# KiCad board element_foxtrot.kicad_pcb (continued)
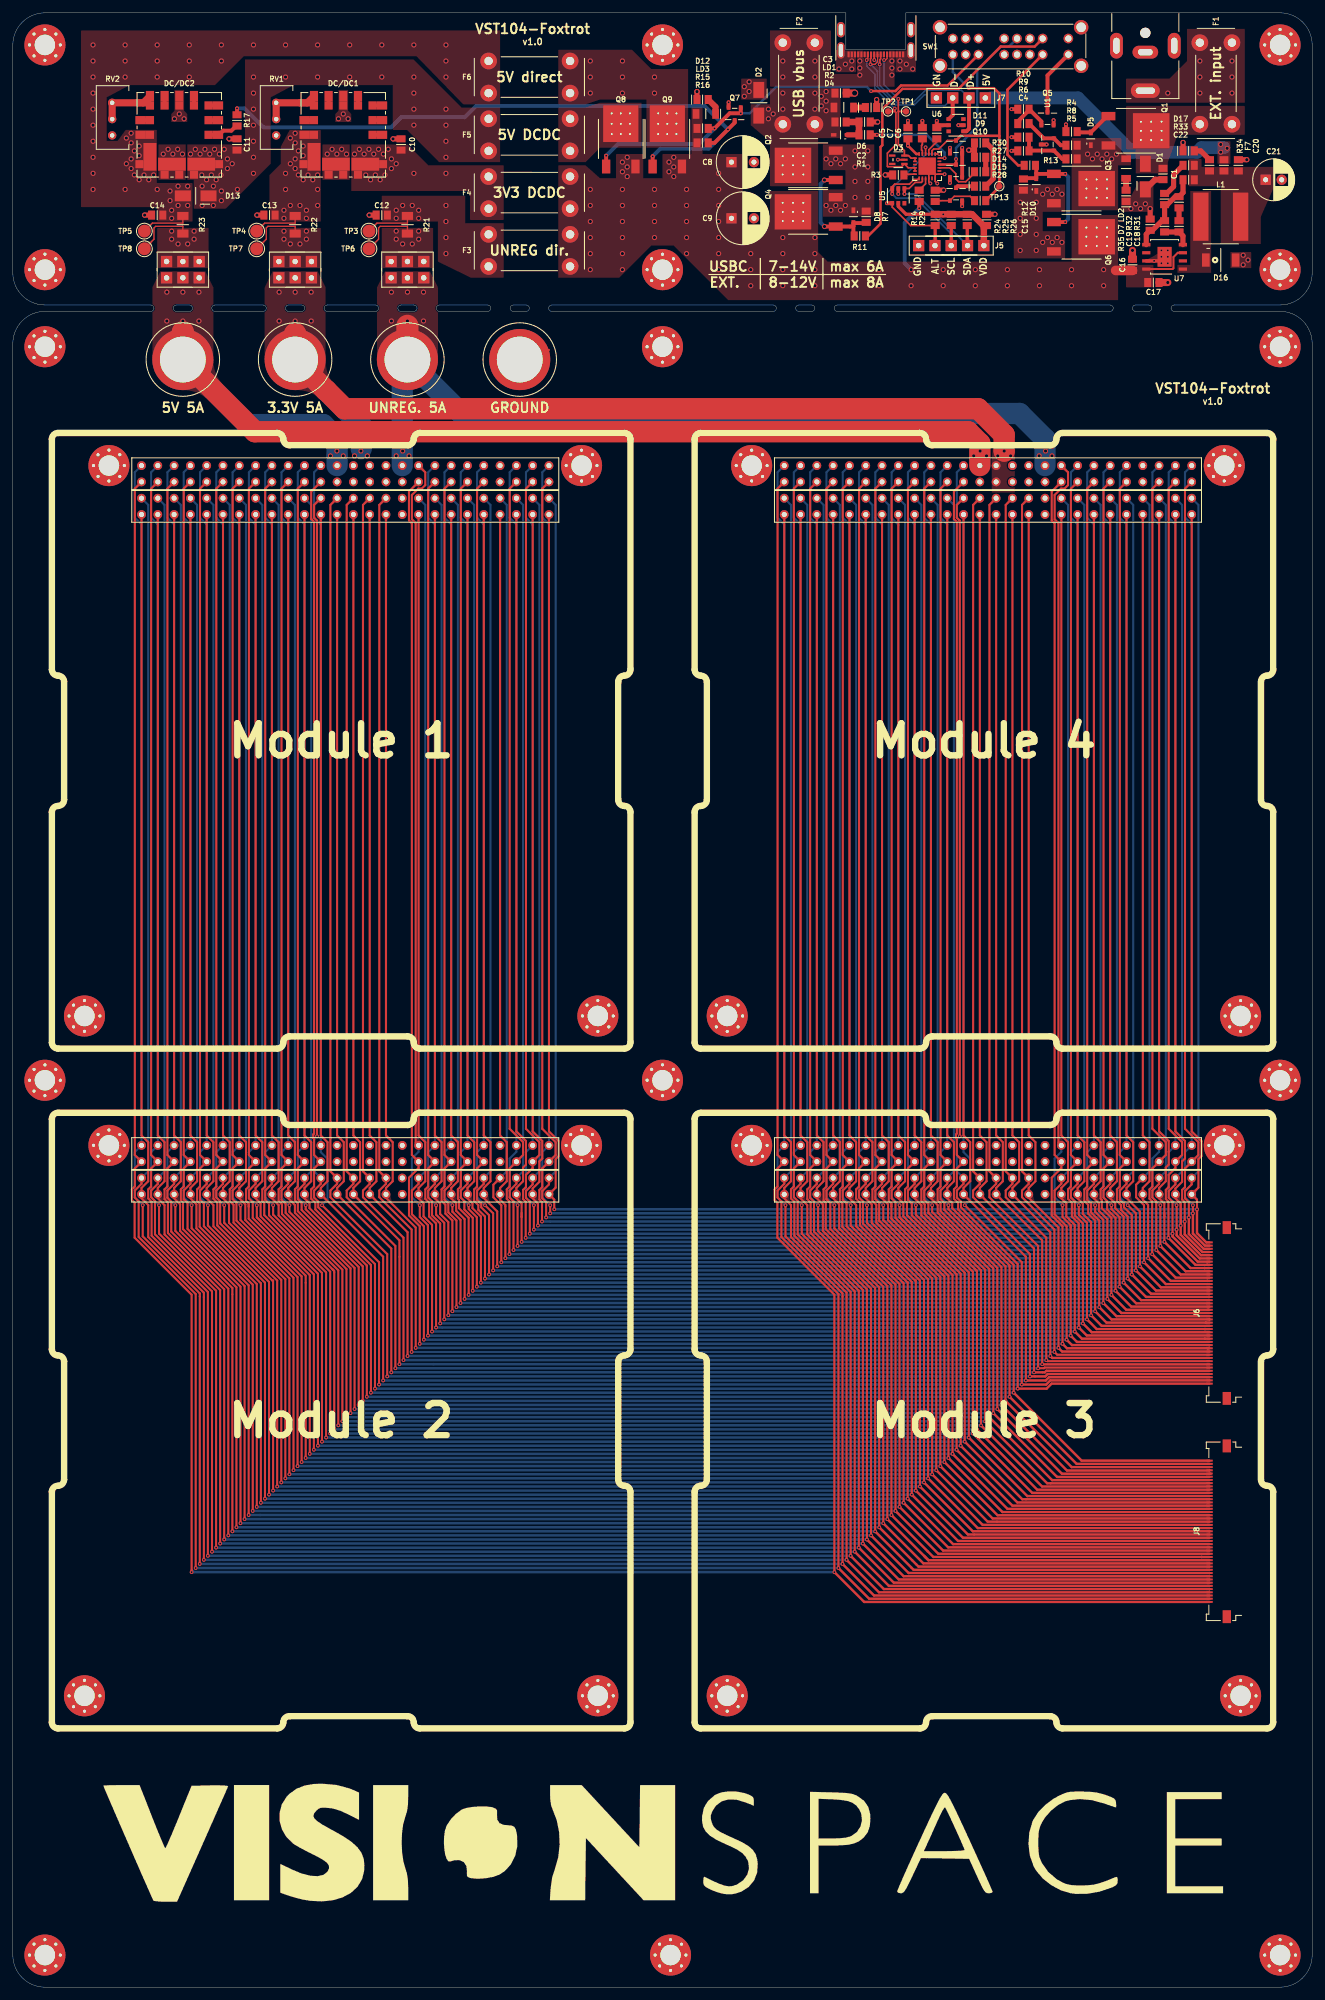
[diagram p0: board, top side]
## Routing (per net, layer and track width the routed paths; a pad name or vN(x,y) marks a point on that pad's centre or on a via; arc(x,y) is an arc through that point) (continued)
/H1-41: length 357.4
  Top w0.323: 171.03,229.37 171.03,132.65 172.07,131.61 172.07,125.52 171.03,124.48 Module 3.H1_41 171.03,122.86 171.8,122.08 171.8,121.34 173.12,120.03 v1(173.12,109.73) ; v1(72.95,109.73) 72.95,120.03 71.63,121.34 71.63,122.08 70.86,122.86 70.86,124.48 71.9,125.52 71.9,131.61 70.86,132.65 70.86,229.37
  Top w0.37: J6.27 175.85,107 v1(173.12,109.73)
  Bottom w0.396: v1(72.95,109.73) v1(173.12,109.73)
/H1-42: length 366.9
  Top w0.323: v1(171.85,108.46) 171.85,119.82 170.54,121.13 170.54,122.42 169.98,122.98 169.98,124.07 171.03,125.12 Module 3.H1_42 ; v1(71.68,108.46) 71.68,119.82 70.37,121.13 70.37,122.42 69.81,122.98 69.81,124.07 70.86,125.12 70.86,126.03
  Top w0.37: J6.25 174.31,106 v1(171.85,108.46)
  Bottom w0.323: 70.86,126.03 71.9,127.07 71.9,230.86 70.86,231.91 ; Module 4.H1_42 172.07,230.86 172.07,127.07 Module 3.H1_42
  Bottom w0.396: v1(71.68,108.46) v1(171.85,108.46)
/H1-43: length 350
  Top w0.323: v1(75.49,112.27) 75.49,120.82 73.39,122.91 Module 2.H1_43 73.39,124.48 74.44,125.52 74.44,131.61 73.39,132.65 73.39,229.37 ; v1(175.66,112.27) 175.66,120.82 173.56,122.91 Module 3.H1_43 173.56,124.48 174.61,125.52 174.61,131.61 173.56,132.65 173.56,229.37
  Top w0.37: v1(175.66,112.27) 178.93,109 J6.31
  Bottom w0.396: v1(75.49,112.27) v1(175.66,112.27)
/H1-44: length 359.5
  Top w0.323: Module 3.H1_44 173.56,125.12 172.52,124.07 172.52,122.63 173.17,121.99 173.17,121.46 174.39,120.23 v1(174.39,111) ; v1(74.22,111) 74.22,120.23 73,121.46 73,121.99 72.35,122.63 72.35,124.07 73.39,125.12 Module 2.H1_44
  Top w0.37: J6.29 177.39,108 v1(174.39,111)
  Bottom w0.323: Module 2.H1_44 74.44,127.07 74.44,230.86 Module 1.H1_44 ; Module 4.H1_44 174.61,230.86 174.61,127.07 Module 3.H1_44
  Bottom w0.396: v1(74.22,111) v1(174.39,111)
/H1-45: length 345.3
  Top w0.323: v1(176.93,113.54) 176.93,121.83 176.1,122.66 Module 3.H1_45 176.1,124.48 177.15,125.52 177.15,131.61 176.1,132.65 176.1,229.37 ; v1(76.76,113.54) 76.76,121.83 75.94,122.66 Module 2.H1_45 75.94,124.48 76.98,125.52 76.98,131.61 75.94,132.65 75.94,229.37
  Top w0.37: v1(176.93,113.54) 180.47,110 186.19,110 186.19,110 J6.33
  Bottom w0.396: v1(76.76,113.54) v1(176.93,113.54)
/H1-46: length 353.4
  Top w0.323: Module 2.H1_46 74.89,124.98 74.89,123.03 76.12,121.79 v1(76.12,112.91) ; v1(176.29,112.91) 176.29,121.79 175.06,123.03 175.06,124.98 Module 3.H1_46
  Top w0.37: v1(176.29,112.91) 179.7,109.5 J6.32
  Bottom w0.323: Module 2.H1_46 76.98,127.07 76.98,230.86 Module 1.H1_46 ; Module 4.H1_46 177.15,230.86 177.15,127.07 Module 3.H1_46
  Bottom w0.396: v1(176.29,112.91) v1(76.12,112.91)
/H1-47: length 339.8
  Top w0.323: 79.29,119.97 79.29,122.04 78.47,122.86 Module 2.H1_47 78.47,124.48 79.52,125.52 79.52,127.66 79.97,128.11 79.97,130.12 79.97,130.12 79.97,131.79 78.47,133.29 78.47,229.37 ; 79.29,119.97 79.29,116.09 v1(79.3,116.08) ; 79.29,119.97 79.29,120.58 ; v1(179.47,116.08) 179.46,116.09 179.46,119.97 ; 179.46,120.58 179.46,119.97 ; 179.46,119.97 179.46,122.04 178.65,122.86 Module 3.H1_47 178.65,124.48 179.69,125.52 179.69,127.66 180.14,128.11 180.14,130.12 180.14,130.12 180.14,131.79 178.65,133.29 178.65,229.37
  Top w0.37: v1(179.47,116.08) 183.55,112 185.75,112 185.75,112 J6.37
  Bottom w0.396: v1(79.3,116.08) v1(179.47,116.08)
/H1-48: length 347.3
  Top w0.323: v1(178.2,114.81) 178.2,122.38 177.6,122.98 177.6,124.07 178.65,125.12 Module 3.H1_48 ; v1(78.03,114.81) 78.03,122.38 77.43,122.98 77.43,124.07 78.47,125.12 Module 2.H1_48
  Top w0.37: v1(178.2,114.81) 182.01,111 J6.35
  Bottom w0.323: Module 1.H1_48 79.52,230.86 79.52,127.07 Module 2.H1_48 ; Module 3.H1_48 179.69,127.07 179.69,230.86 Module 4.H1_48
  Bottom w0.396: v1(78.03,114.81) v1(178.2,114.81)
/H1-49: length 337.4
  Top w0.323: 81.02,122.86 81.84,122.03 v1(81.84,118.62) 81.84,121.91 ; 182.01,121.91 v1(182.01,118.62) 182.01,122.03 181.19,122.86 ; 181.19,229.37 181.19,133.29 182.68,131.79 182.68,129.06 182.23,128.61 182.23,125.44 181.19,124.39 Module 3.H1_49 ; 81.02,229.37 81.02,133.29 82.51,131.79 82.51,129.06 82.06,128.61 82.06,125.44 81.02,124.39 Module 2.H1_49
  Top w0.37: J6.41 185.18,114 182.01,117.17 v1(182.01,118.62)
  Bottom w0.396: v1(81.84,118.62) v1(182.01,118.62)
/H1-50: length 340.2
  Top w0.323: v1(180.74,117.35) 180.74,122.34 180.14,122.93 180.14,123.99 181.19,125.03 Module 3.H1_50 ; v1(80.57,117.35) 80.57,122.34 79.97,122.93 79.97,123.99 81.02,125.03 Module 2.H1_50
  Top w0.37: v1(180.74,117.35) 180.74,116.93 184.67,113 J6.39
  Bottom w0.323: Module 1.H1_50 82.06,230.86 82.06,127.07 Module 2.H1_50 ; Module 3.H1_50 182.23,127.07 182.23,230.86 Module 4.H1_50
  Bottom w0.396: v1(80.57,117.35) v1(180.74,117.35)
/H1-51: length 326
  Top w0.323: v1(84.38,121.16) 84.38,122.66 Module 2.H1_51 84.6,124.53 84.6,128.97 85.07,129.45 85.07,131.77 83.56,133.29 83.56,229.37 ; v1(184.55,121.16) 184.55,122.66 Module 3.H1_51 184.77,124.53 184.77,128.97 185.24,129.45 185.24,131.77 183.72,133.29 183.72,229.37
  Top w0.37: J6.45 185.99,116 184.55,117.44 v1(184.55,121.16)
  Bottom w0.396: v1(84.38,121.16) v1(184.55,121.16)
/H1-52: length 334
  Top w0.323: Module 3.H1_52 183.72,125.03 182.68,123.99 182.68,122.86 183.28,122.26 v1(183.28,119.89) ; Module 2.H1_52 83.56,125.03 82.51,123.99 82.51,122.86 83.11,122.26 v1(83.11,119.89)
  Top w0.37: v1(183.28,119.89) 183.28,117.31 185.59,115 J6.43
  Bottom w0.323: Module 1.H1_52 84.6,230.86 84.6,127.07 Module 2.H1_52 ; Module 3.H1_52 184.77,127.07 184.77,230.86 Module 4.H1_52
  Bottom w0.396: v1(83.11,119.89) v1(183.28,119.89)
/H2-1: length 511.3
  Top w0.323: 20.05,234.44 19.01,233.4 19.01,129.61 Module 2.H2_1 19.01,127.52 19.01,124.71 18.56,124.26 18.56,122.59 18.98,122.16 18.98,116.73 27.87,107.85 v1(27.87,64.64) ; 120.22,234.44 119.18,233.4 119.18,129.61 Module 3.H2_1 119.18,127.52 119.18,124.71 118.73,124.26 118.73,122.59 119.16,122.16 119.16,116.73 128.03,107.85 v1(128.03,64.64)
  Top w0.37: v1(128.03,64.64) 132.68,60 J8.1
  Bottom w0.396: v1(27.87,64.64) 27.87,64.99 28.21,64.64 v1(128.03,64.64)
/H2-2: length 512.5
  Top w0.323: v1(129.31,65.92) 129.31,108.06 120.41,116.95 v1(120.41,121.79) ; v1(29.13,65.92) 29.13,108.06 20.24,116.95 v1(20.24,121.79)
  Top w0.37: J8.3 134.22,61 v1(129.31,65.92)
  Bottom w0.323: 20.05,236.99 19.01,235.94 19.01,228.86 20.05,227.82 20.05,131.1 19.01,130.06 19.01,123.03 v1(20.24,121.79) ; v1(120.41,121.79) 119.18,123.03 119.18,130.06 120.22,131.1 120.22,227.82 119.18,228.86 119.18,235.94 120.22,236.99
  Bottom w0.396: v1(29.13,65.92) v1(129.31,65.92)
/H2-3: length 503.4
  Top w0.323: 22.59,234.44 21.55,233.4 21.55,129.61 Module 2.H2_3 21.55,127.52 21.55,124.71 21.1,124.26 21.1,122.84 21.63,122.32 21.63,117.04 30.4,108.27 v1(30.4,67.18) ; v1(130.57,67.18) 130.57,108.27 121.8,117.04 121.8,122.32 121.27,122.84 121.27,124.26 121.72,124.71 121.72,127.52 Module 3.H2_3 121.72,129.61 121.72,233.4 122.76,234.44
  Top w0.37: v1(130.57,67.18) 135.75,62 186.49,62 186.49,62 J8.5
  Bottom w0.396: v1(130.57,67.18) v1(30.4,67.18)
/H2-4: length 505.1
  Top w0.323: v1(31.67,68.45) 31.67,108.47 22.78,117.36 v1(22.78,121.79) ; v1(122.96,121.79) 122.96,117.36 131.84,108.47 v1(131.84,68.45)
  Top w0.37: v1(131.84,68.45) 137.3,63 J8.7
  Bottom w0.323: 22.59,236.99 21.55,235.94 21.55,228.86 22.59,227.82 22.59,131.1 21.55,130.06 21.55,123.03 v1(22.78,121.79) ; v1(122.96,121.79) 121.72,123.03 121.72,130.06 122.76,131.1 122.76,227.82 121.72,228.86 121.72,235.94 122.76,236.99
  Bottom w0.396: v1(31.67,68.45) v1(131.84,68.45)
/H2-5: length 496.6
  Top w0.323: 25.13,234.44 24.09,233.4 24.09,129.61 Module 2.H2_5 24.09,127.52 24.09,124.71 23.64,124.26 23.64,122.74 24.17,122.21 24.17,117.46 32.94,108.69 v1(32.94,69.72) ; 125.31,234.44 124.26,233.4 124.26,129.61 Module 3.H2_5 124.26,127.52 124.26,124.71 123.81,124.26 123.81,122.74 124.34,122.21 124.34,117.46 133.11,108.69 v1(133.11,69.72)
  Top w0.37: v1(133.11,69.72) 138.83,64 J8.9
  Bottom w0.396: v1(32.94,69.72) 32.94,70.07 33.29,69.72 v1(133.11,69.72)
/H2-6: length 497.7
  Top w0.323: v1(125.5,121.79) 125.5,117.78 134.38,108.89 v1(134.38,71) ; v1(34.22,71) 34.22,108.89 25.33,117.78 v1(25.33,121.79)
  Top w0.37: J8.11 140.38,65 v1(134.38,71)
  Bottom w0.323: 25.13,236.99 24.09,235.94 24.09,228.86 25.13,227.82 25.13,131.1 24.09,130.06 24.09,123.03 v1(25.33,121.79) ; v1(125.5,121.79) 124.26,123.03 124.26,130.06 125.31,131.1 125.31,227.82 124.26,228.86 124.26,235.94 125.31,236.99
  Bottom w0.396: v1(34.22,71) v1(134.38,71)
/H2-7: length 488.7
  Top w0.323: 27.67,234.44 26.63,233.4 26.63,129.61 Module 2.H2_7 26.63,127.52 26.63,124.71 26.18,124.26 26.18,122.55 26.52,122.21 26.52,118.06 35.48,109.1 v1(35.48,72.26) ; 127.84,234.44 126.8,233.4 126.8,129.61 Module 3.H2_7 126.8,127.52 126.8,124.71 126.35,124.26 126.35,122.55 126.69,122.21 126.69,118.06 135.65,109.1 v1(135.65,72.26)
  Top w0.37: J8.13 141.91,66 v1(135.65,72.26)
  Bottom w0.396: v1(135.65,72.26) v1(35.48,72.26)
/H2-8: length 490.3
  Top w0.323: v1(36.76,73.54) 36.76,109.31 27.87,118.2 v1(27.87,121.79) ; v1(128.03,121.79) 128.03,118.2 136.93,109.31 v1(136.93,73.54)
  Top w0.37: v1(136.93,73.54) 143.46,67 185.28,67 185.28,67 J8.15
  Bottom w0.323: 27.67,236.99 26.63,235.94 26.63,228.86 27.67,227.82 27.67,131.1 26.63,130.06 26.63,123.03 v1(27.87,121.79) ; v1(128.03,121.79) 126.8,123.03 126.8,130.06 127.84,131.1 127.84,227.82 126.8,228.86 126.8,235.94 127.84,236.99
  Bottom w0.396: v1(136.93,73.54) v1(36.76,73.54)
/H2-9: length 481.3
  Top w0.323: 30.22,234.44 29.17,233.4 29.17,129.61 Module 2.H2_9 29.17,127.52 29.17,124.71 28.72,124.26 28.72,122.45 29.11,122.06 29.11,118.42 38.02,109.51 v1(38.02,74.8) ; 130.38,234.44 129.34,233.4 129.34,129.61 Module 3.H2_9 129.34,127.52 129.34,124.71 128.89,124.26 128.89,122.45 129.28,122.06 129.28,118.42 138.19,109.51 v1(138.19,74.8)
  Top w0.37: v1(138.19,74.8) 144.99,68 J8.17
  Bottom w0.396: v1(38.02,74.8) v1(138.19,74.8)
/H2-10: length 482.9
  Top w0.323: v1(30.41,121.79) 30.41,118.62 39.3,109.73 v1(39.3,76.07) ; v1(139.47,76.07) 139.47,109.73 130.57,118.62 v1(130.57,121.79)
  Top w0.37: v1(139.47,76.07) 146.54,69 J8.19
  Bottom w0.323: 30.22,236.99 29.17,235.94 29.17,228.86 30.22,227.82 30.22,131.1 29.17,130.06 29.17,123.03 v1(30.41,121.79) ; v1(130.57,121.79) 129.34,123.03 129.34,130.06 130.38,131.1 130.38,227.82 129.34,228.86 129.34,235.94 130.38,236.99
  Bottom w0.396: v1(39.3,76.07) v1(139.47,76.07)
/H2-11: length 474
  Top w0.323: 32.76,234.44 31.71,233.4 31.71,129.61 Module 2.H2_11 31.71,127.52 31.71,124.71 31.26,124.26 31.26,122.79 31.86,122.19 31.86,118.64 40.44,110.05 40.56,110.05 v1(40.56,77.34) ; v1(140.73,77.34) 140.73,110.05 140.61,110.05 132.03,118.64 132.03,122.19 131.43,122.79 131.43,124.26 131.88,124.71 131.88,127.52 Module 3.H2_11 131.88,129.61 131.88,233.4 132.93,234.44
  Top w0.37: v1(140.73,77.34) 148.07,70 J8.21
  Bottom w0.396: v1(140.73,77.34) v1(40.56,77.34)
/H2-12: length 475.5
  Top w0.323: v1(41.83,78.62) 41.83,110.16 32.95,119.05 v1(32.95,121.79) ; v1(133.12,121.79) 133.12,119.05 142,110.16 v1(142,78.62)
  Top w0.37: v1(142,78.62) 149.62,71 186.5,71 J8.23
  Bottom w0.323: 32.76,236.99 31.71,235.94 31.71,228.86 32.76,227.82 32.76,131.1 31.71,130.06 31.71,123.03 v1(32.95,121.79) ; v1(133.12,121.79) 131.88,123.03 131.88,130.06 132.93,131.1 132.93,227.82 131.88,228.86 131.88,235.94 132.93,236.99
  Bottom w0.396: v1(41.83,78.62) v1(142,78.62)
/H2-13: length 466.5
  Top w0.323: 35.3,234.44 34.25,233.4 34.25,129.61 Module 2.H2_13 34.25,127.52 34.25,124.71 33.8,124.26 33.8,122.45 34.4,121.85 34.4,119.08 43.1,110.38 v1(43.1,79.88) ; v1(143.27,79.88) 143.27,110.38 134.57,119.08 134.57,121.85 133.97,122.45 133.97,124.26 134.42,124.71 134.42,127.52 Module 3.H2_13 134.42,129.61 134.42,233.4 135.47,234.44
  Top w0.37: v1(143.27,79.88) 151.15,72 J8.25
  Bottom w0.396: v1(143.27,79.88) v1(43.1,79.88)
/H2-14: length 468.1
  Top w0.323: v1(35.48,121.79) 35.48,119.49 44.38,110.6 v1(44.38,81.15) ; v1(144.54,81.15) 144.54,110.6 135.66,119.49 v1(135.66,121.79)
  Top w0.37: v1(144.54,81.15) 152.7,73 J8.27
  Bottom w0.323: 35.3,236.99 34.25,235.94 34.25,228.86 35.3,227.82 35.3,131.1 34.25,130.06 34.25,123.03 v1(35.48,121.79) ; v1(135.66,121.79) 134.42,123.03 134.42,130.06 135.47,131.1 135.47,227.82 134.42,228.86 134.42,235.94 135.47,236.99
  Bottom w0.396: v1(44.38,81.15) v1(144.54,81.15)
/H2-15: length 459.8
  Top w0.323: 37.84,234.44 36.79,233.4 36.79,129.61 Module 2.H2_15 36.79,127.52 36.79,124.71 36.34,124.26 36.34,122.45 36.76,122.03 36.76,121.59 ; v1(145.81,82.42) 145.81,110.81 136.93,119.69 136.93,121.59 ; 136.93,121.59 136.93,122.03 136.51,122.45 136.51,124.26 136.96,124.71 136.96,127.52 Module 3.H2_15 136.96,129.61 136.96,233.4 138,234.44 ; 136.93,121.59 136.93,121.95 ; 36.76,121.59 36.76,121.95 ; 36.76,121.59 36.76,119.69 45.64,110.81 v1(45.64,82.42)
  Top w0.37: J8.29 154.23,74 v1(145.81,82.42)
  Bottom w0.396: v1(145.81,82.42) v1(45.64,82.42)
/H2-16: length 462.7
  Top w0.323: 38.71,119.21 46.92,111.01 v1(46.92,83.69) ; 38.71,119.21 38.02,119.9 ; 38.71,119.21 38.02,119.9 ; 38.02,119.9 v1(38.02,121.79) ; 138.19,119.9 138.88,119.21 ; 138.19,119.9 v1(138.19,121.79) ; 138.19,119.9 138.88,119.21 ; 138.88,119.21 147.09,111.01 v1(147.09,83.69)
  Top w0.37: 186.5,74.99 155.79,74.99 v1(147.09,83.69)
  Bottom w0.323: 37.84,236.99 36.79,235.94 36.79,228.83 37.84,227.78 37.84,131.1 36.79,130.06 36.79,123.03 v1(38.02,121.79) ; v1(138.19,121.79) 136.96,123.03 136.96,130.06 138,131.1 138,227.78 136.96,228.83 136.96,235.94 138,236.99
  Bottom w0.396: v1(46.92,83.69) v1(147.09,83.69)
/H2-17: length 451.7
  Top w0.323: 40.38,234.44 39.33,233.4 39.33,129.61 Module 2.H2_17 39.33,127.52 39.33,124.71 38.88,124.26 38.88,122.45 39.18,122.15 39.18,120.25 48.18,111.25 v1(48.18,84.96) ; v1(148.35,84.96) 148.35,111.25 139.35,120.25 139.35,122.15 139.05,122.45 139.05,124.26 139.5,124.71 139.5,127.52 Module 3.H2_17 139.5,129.61 139.5,233.4 140.54,234.44
  Top w0.37: 186.5,75.99 157.32,75.99 v1(148.35,84.96)
  Bottom w0.396: v1(48.18,84.96) v1(148.35,84.96)
/H2-18: length 453.4
  Top w0.323: v1(40.56,121.79) 40.56,120.32 49.45,111.43 v1(49.45,86.24) ; v1(149.62,86.24) 149.62,111.43 140.74,120.32 v1(140.74,121.79)
  Top w0.37: 186.5,76.98 158.88,76.98 v1(149.62,86.24)
  Bottom w0.323: 40.38,236.99 39.33,235.94 39.33,228.86 40.38,227.82 40.38,131.1 39.33,130.06 39.33,123.03 v1(40.56,121.79) ; v1(140.74,121.79) 139.5,123.03 139.5,130.06 140.54,131.1 140.54,227.82 139.5,228.86 139.5,235.94 140.54,236.99
  Bottom w0.396: v1(149.62,86.24) v1(49.45,86.24)
/H2-19: length 444.3
  Top w0.323: 42.92,234.44 41.87,233.4 41.87,129.61 42.92,128.56 41.87,127.52 41.87,124.71 41.42,124.26 41.42,122.45 41.95,121.92 41.95,120.42 50.72,111.65 v1(50.72,87.5) ; v1(150.89,87.5) 150.89,111.65 142.12,120.42 142.12,121.92 141.59,122.45 141.59,124.26 142.04,124.71 142.04,127.52 Module 3.H2_19 142.04,129.61 142.04,233.4 143.09,234.44
  Top w0.37: v1(150.89,87.5) 160.41,77.98 186.5,77.98
  Bottom w0.396: v1(150.89,87.5) v1(50.72,87.5)
/H2-20: length 445.9
  Top w0.323: v1(52,88.78) 52,111.85 43.11,120.74 ; v1(43.11,121.79) 43.11,120.77 ; v1(143.28,121.79) 143.28,120.77 ; 143.28,120.74 152.16,111.85 v1(152.16,88.78)
  Top w0.37: 186.5,78.97 161.97,78.97 v1(152.16,88.78)
  Bottom w0.323: 42.92,236.99 41.87,235.94 41.87,228.86 42.92,227.82 42.92,131.1 41.87,130.06 41.87,123.03 v1(43.11,121.79) ; v1(143.28,121.79) 142.04,123.03 142.04,130.06 143.09,131.1 143.09,227.82 142.04,228.86 142.04,235.94 143.09,236.99
  Bottom w0.396: v1(52,88.78) v1(152.16,88.78)
/H2-21: length 437.2
  Top w0.323: 45.45,234.44 44.41,233.4 44.41,129.61 Module 2.H2_21 44.41,127.52 44.41,124.71 43.96,124.26 43.96,122.55 44.41,122.1 44.41,120.87 53.26,112.02 v1(53.26,90.04) ; v1(153.43,90.04) 153.43,112.02 144.58,120.87 144.58,122.1 144.13,122.55 144.13,124.26 144.58,124.71 144.58,127.52 Module 3.H2_21 144.58,129.61 144.58,233.4 145.62,234.44
  Top w0.37: 186.5,79.96 186.67,79.96 163.51,79.96 v1(153.43,90.04)
  Bottom w0.396: v1(53.26,90.04) v1(153.43,90.04)
/H2-22: length 438.6
  Top w0.323: v1(45.64,121.79) 45.64,121.16 54.53,112.27 v1(54.53,91.31) ; v1(154.71,91.31) 154.71,112.27 145.81,121.16 v1(145.81,121.79)
  Top w0.37: v1(154.71,91.31) 165.02,81 J8.43
  Bottom w0.323: 45.45,236.99 44.41,235.94 44.41,228.86 45.45,227.82 45.45,131.1 44.41,130.06 44.41,123.03 v1(45.64,121.79) ; v1(145.81,121.79) 144.58,123.03 144.58,130.06 145.62,131.1 145.62,227.82 144.58,228.86 144.58,235.94 145.62,236.99
  Bottom w0.396: v1(54.53,91.31) v1(154.71,91.31)
/H2-23: length 430.4
  Top w0.323: 48,234.44 46.5,232.95 46.5,228.68 46.95,228.23 46.95,132.94 46.82,132.81 46.82,132.25 46.95,132.11 46.95,129.61 Module 2.H2_23 46.95,127.52 46.95,124.71 46.5,124.26 46.5,122.8 47.15,122.15 47.15,121.14 55.81,112.48 v1(55.81,92.59) ; v1(155.98,92.59) 155.98,112.48 147.32,121.14 147.32,122.15 146.67,122.8 146.67,124.26 147.12,124.71 147.12,127.52 Module 3.H2_23 147.12,129.61 147.12,132.11 146.99,132.25 146.99,132.81 147.12,132.94 147.12,228.23 146.67,228.68 146.67,232.95 148.16,234.44
  Top w0.37: v1(155.98,92.59) 166.57,82 J8.45
  Bottom w0.396: v1(55.81,92.59) v1(155.98,92.59)
/H2-24: length 426.6
  Top w0.323: v1(57.08,93.85) 57.08,112.91 v1(48.19,121.79) ; v1(148.35,121.79) 157.25,112.91 v1(157.25,93.85)
  Top w0.37: J6.2 161.69,94.5 161.04,93.85 v1(157.25,93.85)
  Bottom w0.323: 48,236.99 46.95,235.94 46.95,228.86 48,227.82 48,130.06 49.04,129.01 49.04,122.65 v1(48.19,121.79) ; v1(148.35,121.79) 149.21,122.65 149.21,129.01 148.16,130.06 148.16,227.82 147.12,228.86 147.12,235.94 148.16,236.99
  Bottom w0.396: v1(57.08,93.85) v1(157.25,93.85)
/H2-35: length 397
  Top w0.323: 63.23,234.44 61.74,232.95 61.74,228.44 62.19,227.99 62.19,129.61 Module 2.H2_35 63.23,127.57 61.74,126.08 61.74,120.2 63.42,118.52 v1(63.42,100.2) ; v1(163.59,100.2) 163.59,118.52 161.91,120.2 161.91,126.08 163.41,127.57 Module 3.H2_35 162.36,129.61 162.36,227.99 161.91,228.44 161.91,232.95 163.41,234.44
  Top w0.37: v1(163.59,100.2) 164.28,99.51 186.24,99.51 186.25,99.5 J6.12
  Bottom w0.396: v1(63.42,100.2) v1(163.59,100.2)
/H2-36: length 401.9
  Top w0.323: 63.23,236.99 64.28,235.94 64.28,233.94 63.74,233.4 63.19,233.4 62.19,232.41 62.19,228.63 62.78,228.04 62.78,131.56 63.23,131.1 ; 64.69,118.62 64.69,118.31 ; 64.69,118.31 v1(64.69,101.47) ; 64.69,118.31 64.69,118.68 63.42,119.95 v1(63.42,121.79) ; v1(163.59,121.79) 163.59,119.95 164.87,118.68 164.87,118.31 ; 164.87,118.31 v1(164.87,101.47) ; 164.87,118.31 164.87,118.62 ; 163.41,131.1 162.95,131.56 162.95,228.04 162.36,228.63 162.36,232.41 163.36,233.4 163.91,233.4 164.45,233.94 164.45,235.94 163.41,236.99
  Top w0.37: J6.14 165.84,100.5 v1(164.87,101.47)
  Bottom w0.323: 63.23,131.1 63.23,130.11 62.19,129.07 62.19,123.03 62.87,122.35 ; 163.41,131.1 163.41,130.11 162.36,129.07 162.36,123.03 163.04,122.35 ; 163.04,122.35 163.41,121.99 ; 163.04,122.35 v1(163.59,121.79) ; 63.23,121.99 62.87,122.35 ; 62.87,122.35 v1(63.42,121.79)
  Bottom w0.396: v1(164.87,101.47) v1(64.69,101.47)
/H2-37: length 388.8
  Top w0.323: 65.78,234.44 64.73,233.4 64.73,129.61 Module 2.H2_37 64.73,127.52 64.73,124.71 64.28,124.26 64.28,122.79 64.88,122.19 64.88,120.02 65.96,118.94 v1(65.96,102.74) ; v1(166.13,102.74) 166.13,118.94 165.05,120.02 165.05,122.19 164.45,122.79 164.45,124.26 164.9,124.71 164.9,127.52 Module 3.H2_37 164.9,129.61 164.9,233.4 165.94,234.44
  Top w0.37: J6.16 167.37,101.5 v1(166.13,102.74)
  Bottom w0.396: v1(166.13,102.74) v1(65.96,102.74)
/H2-38: length 390.5
  Top w0.323: v1(65.97,121.79) 65.97,120.32 67.23,119.05 v1(67.23,104.01) ; v1(167.41,104.01) 167.41,119.05 166.13,120.32 v1(166.13,121.79)
  Top w0.37: J6.18 185.79,102.5 185.79,102.5 168.92,102.5 v1(167.41,104.01)
  Bottom w0.323: 65.78,236.99 64.73,235.94 64.73,228.86 65.78,227.82 65.78,131.1 64.73,130.06 64.73,123.03 v1(65.97,121.79) ; v1(166.13,121.79) 164.9,123.03 164.9,130.06 165.94,131.1 165.94,227.82 164.9,228.86 164.9,235.94 165.94,236.99
  Bottom w0.396: v1(167.41,104.01) v1(67.23,104.01)
/H2-39: length 381.4
  Top w0.323: 68.31,234.44 67.27,233.4 67.27,129.61 Module 2.H2_39 67.27,127.52 67.27,124.71 66.82,124.26 66.82,122.45 67.42,121.85 67.42,120.48 68.5,119.4 v1(68.5,105.28) ; v1(168.67,105.28) 168.67,119.4 167.59,120.48 167.59,121.85 166.99,122.45 166.99,124.26 167.44,124.71 167.44,127.52 Module 3.H2_39 167.44,129.61 167.44,233.4 168.49,234.44
  Top w0.37: v1(168.67,105.28) 170.44,103.51 185.91,103.51 185.92,103.5 J6.20
  Bottom w0.396: v1(168.67,105.28) v1(68.5,105.28)
/H2-40: length 383.1
  Top w0.323: v1(68.5,121.79) 68.5,120.77 69.78,119.5 v1(69.78,106.56) ; v1(169.94,106.56) 169.94,119.5 168.68,120.77 v1(168.68,121.79)
  Top w0.37: v1(169.94,106.56) 172,104.5 J6.22
  Bottom w0.323: v1(68.5,121.79) 67.27,123.03 67.27,130.06 68.31,131.1 68.31,227.82 67.27,228.86 67.27,235.94 68.31,236.99 ; 168.49,236.99 167.44,235.94 167.44,228.86 168.49,227.82 168.49,131.1 167.44,130.06 167.44,123.03 v1(168.68,121.79)
  Bottom w0.396: v1(169.94,106.56) v1(69.78,106.56)
/H2-41: length 374
  Top w0.323: 70.86,234.44 69.81,233.4 69.81,129.61 70.86,128.56 69.81,127.52 69.81,124.71 69.36,124.26 69.36,122.79 69.54,122.61 69.54,121.32 71.04,119.82 v1(71.04,107.82) ; 171.03,234.44 169.98,233.4 169.98,129.61 Module 3.H2_41 169.98,127.52 169.98,124.71 169.53,124.26 169.53,122.79 169.71,122.61 169.71,121.32 171.21,119.82 v1(171.21,107.82)
  Top w0.37: v1(171.21,107.82) 173.53,105.5 186.29,105.5 186.29,105.5 J6.24
  Bottom w0.396: v1(71.04,107.82) v1(171.21,107.82)
/H2-42: length 375.7
  Top w0.323: v1(71.05,121.79) 71.05,121.19 72.31,119.92 v1(72.31,109.09) ; v1(172.49,109.09) 172.49,119.92 171.22,121.19 v1(171.22,121.79)
  Top w0.37: v1(172.49,109.09) 175.08,106.5 J6.26
  Bottom w0.323: 70.86,236.99 69.81,235.94 69.81,228.86 70.86,227.82 70.86,131.1 69.81,130.06 69.81,123.03 v1(71.05,121.79) ; v1(171.22,121.79) 169.98,123.03 169.98,130.06 171.03,131.1 171.03,227.82 169.98,228.86 169.98,235.94 171.03,236.99
  Bottom w0.396: v1(172.49,109.09) v1(72.31,109.09)
/H2-43: length 366.6
  Top w0.323: 73.39,234.44 72.35,233.4 72.35,129.61 Module 2.H2_43 72.35,127.52 72.35,124.71 71.9,124.26 71.9,122.45 72.55,121.8 72.55,121.07 73.58,120.03 v1(73.58,110.36) ; 173.56,234.44 172.52,233.4 172.52,129.61 Module 3.H2_43 172.52,127.52 172.52,124.71 172.07,124.26 172.07,122.45 172.72,121.8 172.72,121.07 173.75,120.03 v1(173.75,110.36)
  Top w0.37: v1(173.75,110.36) 176.61,107.5 186.42,107.5 186.42,107.5 J6.28
  Bottom w0.396: v1(173.75,110.36) v1(73.58,110.36)
/H2-44: length 368.3
  Top w0.323: v1(74.86,111.63) 74.86,120.53 v1(73.58,121.79) ; v1(173.75,121.79) 175.03,120.53 v1(175.03,111.63)
  Top w0.37: J6.30 178.16,108.5 v1(175.03,111.63)
  Bottom w0.323: v1(73.58,121.79) 72.35,123.03 72.35,130.06 73.39,131.1 73.39,227.82 72.35,228.86 72.35,235.94 73.39,236.99 ; 173.56,236.99 172.52,235.94 172.52,228.86 173.56,227.82 173.56,131.1 172.52,130.06 172.52,123.03 v1(173.75,121.79)
  Bottom w0.396: v1(74.86,111.63) v1(175.03,111.63)
/H2-47: length 356.2
  Top w0.323: 78.47,234.44 77.43,233.4 77.43,133.69 79.52,131.61 79.52,129.61 Module 2.H2_47 77.43,127.52 77.43,124.71 76.98,124.26 76.98,122.8 77.39,122.39 v1(77.39,114.17) ; 178.65,234.44 177.6,233.4 177.6,133.69 179.69,131.61 179.69,129.61 Module 3.H2_47 177.6,127.52 177.6,124.71 177.15,124.26 177.15,122.8 177.56,122.39 v1(177.56,114.17)
  Top w0.37: J6.34 181.23,110.5 v1(177.56,114.17)
  Bottom w0.396: v1(77.39,114.17) v1(177.56,114.17)
/H2-48: length 356.2
  Top w0.323: v1(78.67,115.44) v1(78.67,121.79) ; v1(178.84,115.44) v1(178.84,121.79)
  Top w0.37: v1(178.84,115.44) 182.78,111.5 J6.36
  Bottom w0.323: 78.47,236.99 77.43,235.94 77.43,228.86 78.47,227.82 78.47,130.11 77.43,129.07 77.43,123.03 v1(78.67,121.79) ; v1(178.84,121.79) 177.6,123.03 177.6,129.07 178.65,130.11 178.65,227.82 177.6,228.86 177.6,235.94 178.65,236.99
  Bottom w0.396: v1(178.84,115.44) v1(78.67,115.44)
/H2-49: length 348.8
  Top w0.323: 81.02,234.44 79.97,233.4 79.97,133.69 82.06,131.61 82.06,129.61 Module 2.H2_49 81.02,127.57 79.97,126.53 79.97,124.62 79.52,124.17 79.52,122.75 79.93,122.34 v1(79.93,116.71) ; v1(180.1,116.71) 180.1,122.34 179.69,122.75 179.69,124.17 180.14,124.62 180.14,126.53 181.19,127.57 Module 3.H2_49 182.23,129.61 182.23,131.61 180.14,133.69 180.14,233.4 181.19,234.44
  Top w0.37: v1(180.1,116.71) 184.31,112.5 186.13,112.5 186.13,112.5 J6.38
  Bottom w0.396: v1(180.1,116.71) v1(79.93,116.71)
/H2-50: length 349.3
  Top w0.323: v1(81.2,121.79) v1(81.2,117.99) ; v1(181.38,121.79) v1(181.38,117.99)
  Top w0.37: J6.40 184.98,113.5 181.38,117.1 v1(181.38,117.99)
  Bottom w0.323: 81.02,236.99 79.97,235.94 79.97,228.86 81.02,227.82 81.02,131.1 79.97,130.06 79.97,123.03 v1(81.2,121.79) ; v1(181.38,121.79) 180.14,123.03 180.14,130.06 181.19,131.1 181.19,227.82 180.14,228.86 180.14,235.94 181.19,236.99
  Bottom w0.396: v1(181.38,117.99) v1(81.2,117.99)